# KiCad board corne-xiao.kicad_pcb
title: Corne Xiao; date: 2024-09-09; rev: 1.1; company: Author : Friction
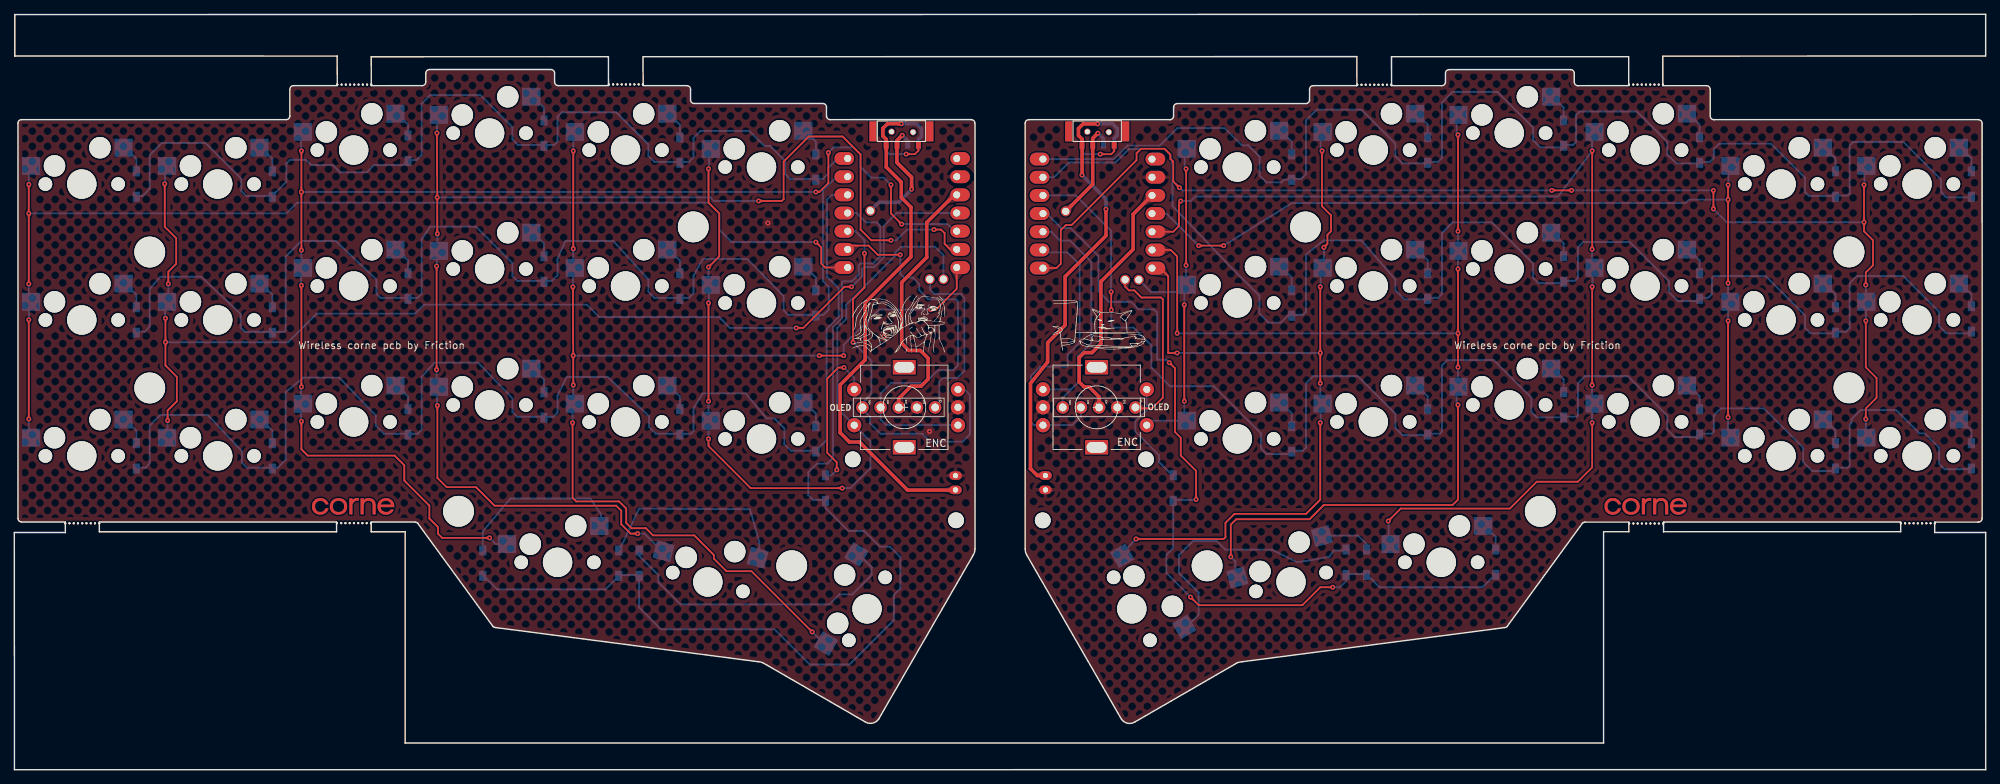
[diagram p0: board, top side]
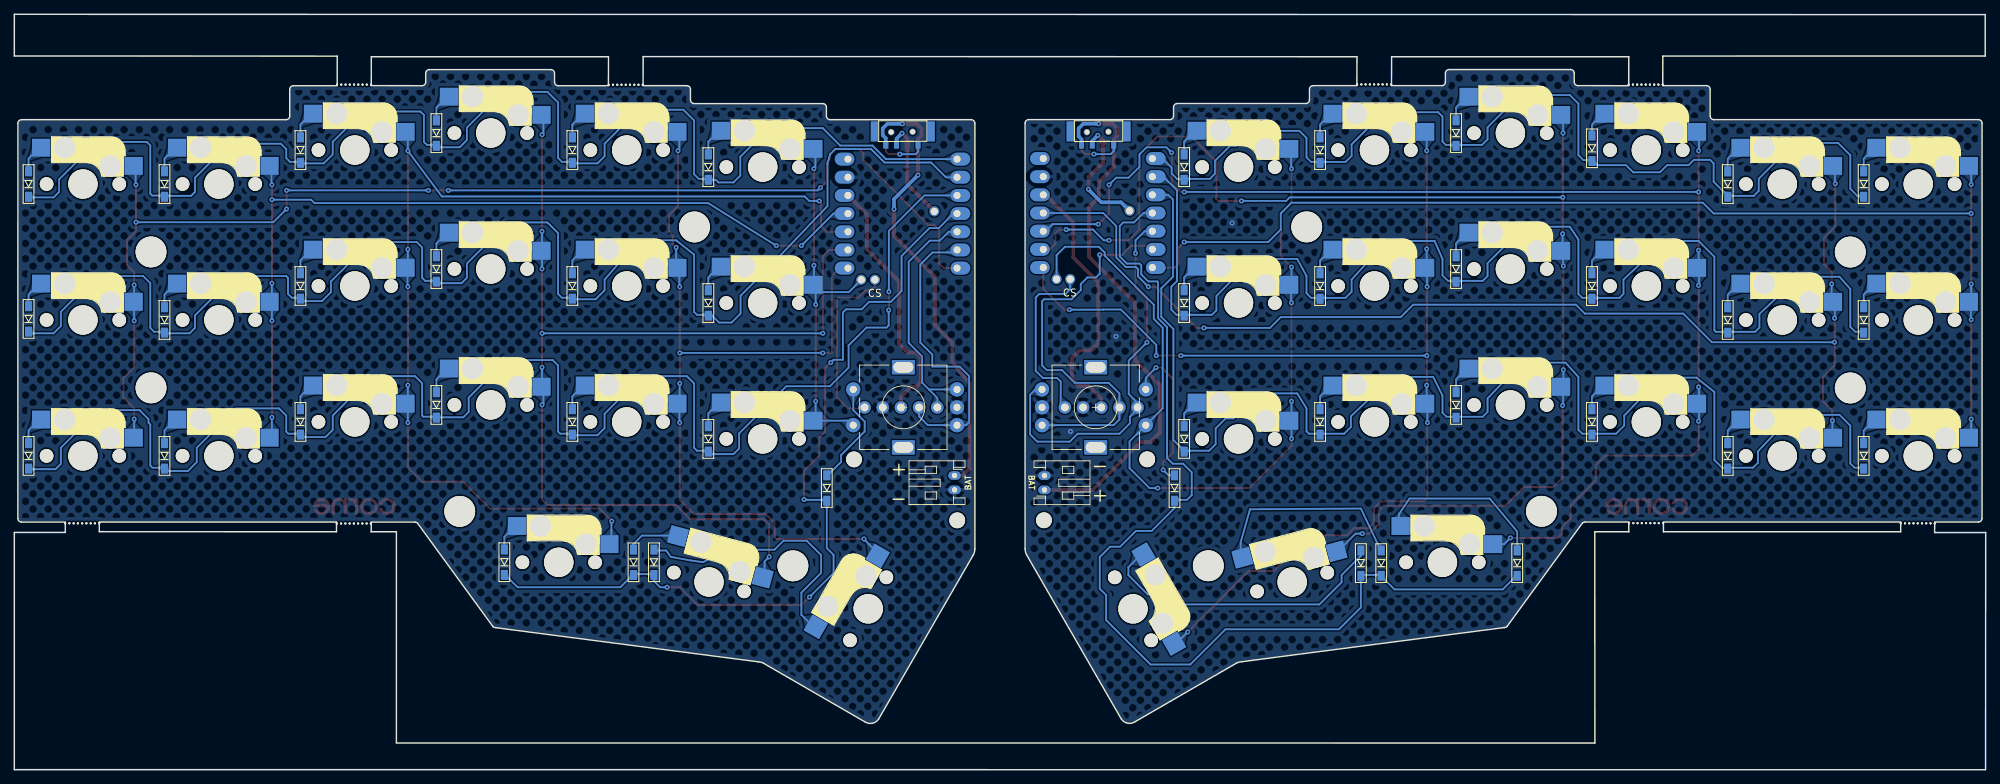
[diagram p1: board, bottom side, seen from below]

Outline 275.53 x 105.59 mm; copper layers: Top, Bottom. Coordinates in mm from the lower left corner of the outline.
Outline path: 0.51,90.37 0.51,35.12 ; 1.01,34.62 7.13,34.62 7.14,33.15 0,33.15 0.02,0 275.53,0 275.52,33.16 268.4,33.16 268.4,34.61 274.52,34.61 ; 1.01,90.87 38.01,90.87 ; 38.51,95.12 38.51,91.37 ; 39.01,95.62 45.14,95.62 45.12,99.75 0.07,99.75 0.07,105.55 275.52,105.59 275.52,99.76 230.4,99.74 230.4,95.61 236.52,95.61 ; 56.01,34.62 49.88,34.62 49.88,33.25 54.63,33.25 54.62,3.72 222.12,3.74 222.12,33.26 225.65,33.26 225.65,34.61 219.52,34.61 ; 56.36,34.47 66.91,20.02 ; 57.01,95.62 49.89,95.61 49.88,99.65 83.03,99.66 83.05,95.62 76.01,95.62 ; 57.51,97.37 57.51,96.12 ; 58.01,97.87 75.01,97.87 ; 67.26,19.87 103.93,15.1 ; 75.51,97.37 75.51,96.12 ; 94.01,95.62 87.89,95.62 87.87,99.66 187.64,99.68 187.65,95.61 181.53,95.61 ; 94.51,93.62 94.51,95.12 ; 104.59,14.97 118.88,6.71 ; 113.01,93.12 95.01,93.12 ; 113.51,92.62 113.51,91.37 ; 120.81,7.09 134.03,30.02 ; 133.76,90.87 114.01,90.87 ; 134.26,90.37 134.26,30.9 ; 141.28,90.36 141.28,30.89 ; 141.78,90.86 161.52,90.86 ; 154.73,7.08 141.5,30.01 ; 162.03,92.61 162.02,91.36 ; 162.52,93.11 180.53,93.11 ; 170.95,14.96 156.66,6.7 ; 181.03,93.61 181.03,95.11 ; 199.52,95.61 192.49,95.61 192.48,99.66 225.63,99.66 225.64,95.62 218.52,95.61 ; 200.02,97.36 200.02,96.11 ; 200.52,97.86 217.52,97.86 ; 208.27,19.86 171.6,15.09 ; 218.02,97.36 218.02,96.11 ; 219.17,34.47 208.63,20.01 ; 237.03,95.11 237.03,91.36 ; 237.53,90.86 274.52,90.86 ; 275.02,90.36 275.03,35.11 ; 11.88,33.25 45.04,33.25 45.04,34.62 11.89,34.62 11.88,33.25 ; 230.5,34.61 230.5,33.26 263.65,33.27 263.65,34.61 230.5,34.61
Stack: Top 0.035mm / dielectric 1.51mm FR4 er 4.5 / Bottom 0.035mm

## Placement (name value [footprint] x y rotation side)
B1  JST Battery  [JST_PH_S2B-PH-K_1x02_P2.00mm_Horizontal]  131.55 39.11 90 bottom
B2  JST Battery  [JST_PH_S2B-PH-K_1x02_P2.00mm_Horizontal]  144.12 41.12 270 bottom
D1  D  [D3_SMD_v2]  17.05 81.86 90 bottom
D2  D  [D3_SMD_v2]  36.05 81.86 90 bottom
D3  D  [D3_SMD_v2]  55.03 86.86 90 bottom
D4  D  [D3_SMD_v2]  74.03 88.98 90 bottom
D5  D  [D3_SMD_v2]  93.03 86.61 90 bottom
D6  D  [D3_SMD_v2]  112.03 84.23 90 bottom
D7  D  [D3_SMD_v2]  17.05 62.86 90 bottom
D8  D  [D3_SMD_v2]  36.05 62.86 90 bottom
D9  D  [D3_SMD_v2]  55.03 67.61 90 bottom
D10  D  [D3_SMD_v2]  74.03 69.98 90 bottom
D11  D  [D3_SMD_v2]  93.03 67.61 90 bottom
D12  D  [D3_SMD_v2]  112.03 65.23 90 bottom
D13  D  [D3_SMD_v2]  17.05 43.86 90 bottom
D14  D  [D3_SMD_v2]  36.05 43.86 90 bottom
D15  D  [D3_SMD_v2]  55.03 48.61 90 bottom
D16  D  [D3_SMD_v2]  74.03 50.98 90 bottom
D17  D  [D3_SMD_v2]  93.03 48.61 90 bottom
D18  D  [D3_SMD_v2]  112.03 46.23 90 bottom
D19  D  [D3_SMD_v2]  65.48 28.87 90 bottom
D20  D  [D3_SMD_v2]  84.48 28.88 90 bottom
D21  D  [D3_SMD_v2]  87.33 28.88 90 bottom
D22  D  [D3_SMD_v2]  273.53 81.86 90 bottom
D23  D  [D3_SMD_v2]  254.53 81.86 90 bottom
D24  D  [D3_SMD_v2]  235.53 86.61 90 bottom
D25  D  [D3_SMD_v2]  216.53 88.99 90 bottom
D26  D  [D3_SMD_v2]  197.53 86.61 90 bottom
D27  D  [D3_SMD_v2]  178.53 84.23 90 bottom
D28  D  [D3_SMD_v2]  273.53 63.02 90 bottom
D29  D  [D3_SMD_v2]  254.53 62.86 90 bottom
D30  D  [D3_SMD_v2]  235.53 67.61 90 bottom
D31  D  [D3_SMD_v2]  216.53 69.99 90 bottom
D32  D  [D3_SMD_v2]  197.53 67.61 90 bottom
D33  D  [D3_SMD_v2]  178.53 65.23 90 bottom
D34  D  [D3_SMD_v2]  273.53 43.86 90 bottom
D35  D  [D3_SMD_v2]  254.53 43.86 90 bottom
D36  D  [D3_SMD_v2]  235.53 48.61 90 bottom
D37  D  [D3_SMD_v2]  216.53 50.99 90 bottom
D38  D  [D3_SMD_v2]  197.53 48.61 90 bottom
D39  D  [D3_SMD_v2]  178.53 46.23 90 bottom
D40  D  [D3_SMD_v2]  207.03 29 90 bottom
D41  D  [D3_SMD_v2]  188.98 28.99 90 bottom
D42  D  [D3_SMD_v2]  186.13 28.99 90 bottom
D43  D  [D3_SMD_v2]  161.97 39.37 90 bottom
D44  D  [D3_SMD_v2]  113.37 39.37 90 bottom
G***  LOGO  [corne-logo-horizontal]  228.11 36.73 0 top
G***#2  -  [LOGO]  151.61 62.51 0 top
G***#3  LOGO  [corne-logo-horizontal]  47.46 36.73 0 top
G***#4  -  [LOGO]  123.61 62.31 0 top
G***#5  LOGO  [corne-logo-horizontal]  47.46 36.73 0 top
G***#6  LOGO  [corne-logo-horizontal]  228.11 36.73 0 top
H1  MountingHole  [M2_HOLE_v2#4]  18.9 72.41 0 top
H2  MountingHole  [M2_HOLE_v2#9]  95.07 75.74 0 top
H3  MountingHole  [M2_HOLE_v2#10]  18.92 53.39 0 top
H4  MountingHole  [M2_HOLE_v2#8]  62.19 35.94 0 top
H5  MountingHole  [M2_HOLE_v2]  111.27 33.66 0 top
H6  MountingHole  [M2_HOLE_v2#12]  117.27 41.77 0 top
H7  MountingHole  [M2_HOLE_v2#3]  132.12 34.09 0 top
H8  MountingHole  [M2_HOLE_v2#13]  180.45 75.97 0 top
H9  MountingHole  [M2_HOLE_v2#14]  256.37 72.49 0 top
H10  MountingHole  [M2_HOLE_v2#6]  164.2 33.56 0 top
H11  MountingHole  [M2_HOLE_v2#11]  214.34 36.11 0 top
H12  MountingHole  [M2_HOLE_v2#2]  256.47 53.49 0 top
H13  MountingHole  [M2_HOLE_v2#5]  158.47 41.72 0 top
H14  MountingHole  [M2_HOLE_v2#7]  143.34 34.34 0 top
J1  OLED  [nice_view]  123.61 66.16 0 top
J2  OLED  [nice_view]  151.61 66.16 0 top
PSW1  SW_SPDT  [MSK12C02_reversible]  127.86 90.52 270 top
PSW2  SW_SPDT  [MSK12C02_reversible]  155.22 90.52 270 top
REF**  -  [Breakaway_Tabs]  47.47 34.47 0 top
REF**#2  -  [Breakaway_Tabs]  47.52 95.77 0 top
REF**#3  -  [Breakaway_Tabs]  85.48 95.79 0 top
REF**#4  -  [Breakaway_Tabs]  190.07 95.74 0 top
REF**#5  -  [Breakaway_Tabs]  228.05 95.77 0 top
REF**#6  -  [Breakaway_Tabs]  266.05 34.44 0 top
REF**#7  -  [Breakaway_Tabs]  9.49 34.44 0 top
REF**#8  -  [Breakaway_Tabs]  228.07 34.41 0 top
SW1  SW_PUSH  [CherryMX_Hotswap]  9.43 81.86 0 top
SW2  SW_PUSH  [CherryMX_Hotswap]  28.43 81.86 0 top
SW3  SW_PUSH  [CherryMX_Hotswap]  47.43 86.61 0 top
SW4  SW_PUSH  [CherryMX_Hotswap]  66.43 88.98 0 top
SW5  SW_PUSH  [CherryMX_Hotswap]  85.43 86.61 0 top
SW6  SW_PUSH  [CherryMX_Hotswap]  104.43 84.23 0 top
SW7  SW_PUSH  [CherryMX_Hotswap]  9.43 62.86 0 top
SW8  SW_PUSH  [CherryMX_Hotswap]  28.43 62.86 0 top
SW9  SW_PUSH  [CherryMX_Hotswap]  47.43 67.61 0 top
SW10  SW_PUSH  [CherryMX_Hotswap]  66.43 69.98 0 top
SW11  SW_PUSH  [CherryMX_Hotswap]  85.43 67.61 0 top
SW12  SW_PUSH  [CherryMX_Hotswap]  104.43 65.23 0 top
SW13  SW_PUSH  [CherryMX_Hotswap]  9.43 43.86 0 top
SW14  SW_PUSH  [CherryMX_Hotswap]  28.43 43.86 0 top
SW15  SW_PUSH  [CherryMX_Hotswap]  47.43 48.61 0 top
SW16  SW_PUSH  [CherryMX_Hotswap]  66.43 50.98 0 top
SW17  SW_PUSH  [CherryMX_Hotswap]  85.43 48.61 0 top
SW18  SW_PUSH  [CherryMX_Hotswap]  104.43 46.23 0 top
SW19  SW_PUSH  [CherryMX_Hotswap]  75.93 28.98 0 top
SW20  SW_PUSH  [CherryMX_Hotswap]  96.93 26.23 345 top
SW21  SW_PUSH  [CherryMX_Hotswap_1.5u]  119.18 22.48 60 top
SW22  SW_PUSH  [CherryMX_Hotswap]  265.93 81.86 0 top
SW23  SW_PUSH  [CherryMX_Hotswap]  246.93 81.86 0 top
SW24  SW_PUSH  [CherryMX_Hotswap]  227.93 86.61 0 top
SW25  SW_PUSH  [CherryMX_Hotswap]  208.93 88.99 0 top
SW26  SW_PUSH  [CherryMX_Hotswap]  189.93 86.61 0 top
SW27  SW_PUSH  [CherryMX_Hotswap]  170.93 84.23 0 top
SW28  SW_PUSH  [CherryMX_Hotswap]  265.93 62.86 0 top
SW29  SW_PUSH  [CherryMX_Hotswap]  246.93 62.86 0 top
SW30  SW_PUSH  [CherryMX_Hotswap]  227.93 67.61 0 top
SW31  SW_PUSH  [CherryMX_Hotswap]  208.93 69.99 0 top
SW32  SW_PUSH  [CherryMX_Hotswap]  189.93 67.61 0 top
SW33  SW_PUSH  [CherryMX_Hotswap]  170.93 65.24 0 top
SW34  SW_PUSH  [CherryMX_Hotswap]  265.93 43.86 0 top
SW35  SW_PUSH  [CherryMX_Hotswap]  246.93 43.86 0 top
SW36  SW_PUSH  [CherryMX_Hotswap]  227.93 48.61 0 top
SW37  SW_PUSH  [CherryMX_Hotswap]  208.93 50.99 0 top
SW38  SW_PUSH  [CherryMX_Hotswap]  189.93 48.61 0 top
SW39  SW_PUSH  [CherryMX_Hotswap]  170.93 46.24 0 top
SW40  SW_PUSH  [CherryMX_Hotswap]  199.43 28.99 0 top
SW41  SW_PUSH  [CherryMX_Hotswap]  178.43 26.24 15 top
SW42  SW_PUSH  [CherryMX_Hotswap_1.5u]  156.18 22.49 300 top
SW43  RotaryEncoder_Switch  [RotaryEncoder_Alps_EC11E-Switch_Vertical_H20mm-keebio_modified]  151.27 50.66 0 top
SW44  RotaryEncoder_Switch  [RotaryEncoder_Alps_EC11E-Switch_Vertical_H20mm-keebio_modified]  124.39 50.66 180 bottom
U1  xiao-ble  [xiao-ble-tht]  124.09 77.81 0 top
U2  xiao-ble  [xiao-ble-tht]  151.39 77.73 0 top

## Library data of the parts
B1 B2 = -: Description: Generic connector, single row, 01x02, script generated (kicad-library-utils/schlib/autogen/connector/)
D1-D44 = -: Description: Diode
H1-H14 = -: Description: Mounting Hole without connection
J1 J2 = -: Description: Generic connector, single row, 01x05, script generated (kicad-library-utils/schlib/autogen/connector/)
PSW1 PSW2 = -: Description: Switch, single pole double throw
SW43 SW44 = -: Description: Rotary encoder, dual channel, incremental quadrate outputs, with switch

## Footprints (pads in the part's own frame, mm; a bottom-side part is the same pattern mirrored in y, then rotated)
Breakaway_Tabs
  round 0.3 hole 0.3 unplated: (-2.375,0) (-1.781,0) (-1.188,0) (-0.594,0) (0,0) (0.594,0) (1.188,0) (1.781,0) (2.375,0)
CherryMX_Hotswap
  round 1.9 hole 1.9 unplated: (-5.08,0) (5.08,0)
  round 3 hole 3 unplated: (-3.81,2.54) (2.54,5.08)
  round 4.1 hole 4.1 unplated: (0,0)
  rect 2.55x2.5 smd far side: 1(-7.085,2.54) 2(5.842,5.08)
CherryMX_Hotswap_1.5u
  round 1.9 hole 1.9 unplated: (-5.08,0) (5.08,0)
  round 3 hole 3 unplated: (-3.81,2.54) (2.54,5.08)
  round 4.1 hole 4.1 unplated: (0,0)
  rect 2.55x2.5 smd far side: 1(-7.085,2.54) 2(5.842,5.08)
D3_SMD_v2
  rect 1.4x1 smd: 1(-1.775,0) 2(1.775,0)
JST_PH_S2B-PH-K_1x02_P2.00mm_Horizontal
  oval 1.2x1.75 hole 0.75: 1(0,0) 2(2,0)
M2_HOLE_v2
  round 4.3 hole 4.3 unplated: (-2.619,-5.16)
M2_HOLE_v2#2
  round 4.3 hole 4.3 unplated: (-0.051,-0.116)
M2_HOLE_v2#3
  round 2.2 hole 2.2 unplated: (-0.498,0.775)
M2_HOLE_v2#4
  round 4.3 hole 4.3 unplated: (0.033,-0.055)
M2_HOLE_v2#13
  round 4.3 hole 4.3 unplated: (0.019,-0.101)
M2_HOLE_v2#14
  round 4.3 hole 4.3 unplated: (0.05,-0.116)
M2_HOLE_v2#5
  round 2.2 hole 2.2 unplated: (-0.299,1.661)
M2_HOLE_v2#6
  round 4.3 hole 4.3 unplated: (2.514,-5.07)
M2_HOLE_v2#7
  round 2.2 hole 2.2 unplated: (0.394,0.515)
M2_HOLE_v2#8
  round 4.3 hole 4.3 unplated: (-0.111,0.179)
M2_HOLE_v2#9
  round 4.3 hole 4.3 unplated: (-0.174,0.135)
M2_HOLE_v2#10
  round 4.3 hole 4.3 unplated: (0.007,-0.03)
M2_HOLE_v2#11
  round 4.3 hole 4.3 unplated: (-1.069,-0.005)
M2_HOLE_v2#12
  round 2.2 hole 2.2 unplated: (-0.081,1.621)
MSK12C02_reversible
  round 0.9 hole 0.7 unplated: (1.35,-5.25) (1.4,-2.25)
  rect 1x0.7 smd: 1(3.2,-1.5) 2(3.2,-4.5) 3(3.2,-6)
  rect 1x0.7 smd far side: 1(3.2,-6) 2(3.2,-3) 3(3.2,-1.5)
  rect 2.8x1 smd: NC(1.3,0.1) NC(1.3,-7.85)
  rect 2.8x1 smd far side: NC(1.3,0.1) NC(1.3,-7.85)
nice_view
  round 1.753 hole 1.092: 1(-5.08,-15.524) 2(-2.54,-15.524) 3(0,-15.524) 4(2.54,-15.524) 5(5.08,-15.524)
RotaryEncoder_Alps_EC11E-Switch_Vertical_H20mm-keebio_modified
  round 2 hole 1: A(-7.5,2.5) B(-7.5,-2.5) C(-7.5,0) S1(7,-2.5) S2(7,2.5)
  rect 3.2x2 hole 2.8x1.5: MP(0,5.6) MP(0,-5.6)
xiao-ble-tht
  oval 2.75x1.8 hole 1: 1(-7.62,7.62) 2(-7.62,5.08) 3(-7.62,2.54) 4(-7.62,0) 5(-7.62,-2.54) 6(-7.62,-5.08) 7(-7.62,-7.62) 8(7.62,-7.62) 9(7.62,-5.08) 10(7.62,-2.54) 11(7.62,0) 12(7.62,2.54) 13(7.62,5.08) 14(7.62,7.62)
  round 1.397 hole 1.016: 15(-4.445,0.317) 16(3.861,-9.246) 17(5.766,-9.246)

## Nets
GND: B1.2 J1.4 SW44.C U1.13
GND1: B2.2 J2.4 SW43.C U2.13
VBAT_L: B1.1 PSW1.3
VBAT_R: B2.1 PSW2.3
VCC: J1.3 U1.12
VCCQ: J2.3 U2.12
BAT+_L: PSW1.2 U1.15
BAT+_R: PSW2.2 U2.15
COL0_L: SW1.1 SW7.1 SW13.1 U1.7
COL0_R: SW22.1 SW28.1 SW34.1 U2.7
COL1_L: SW2.1 SW8.1 SW14.1 U1.11
COL1_R: SW23.1 SW29.1 SW35.1 U2.11
COL2_L: SW3.1 SW9.1 SW15.1 SW19.1 U1.10
COL2_R: SW24.1 SW30.1 SW36.1 SW40.1 U2.10
COL3_L: SW4.1 SW10.1 SW16.1 SW20.1 U1.9
COL3_R: SW25.1 SW31.1 SW37.1 SW41.1 U2.9
COL4_L: SW5.1 SW11.1 SW17.1 SW21.1 U1.8
COL4_R: SW26.1 SW32.1 SW38.1 SW42.1 U2.8
COL5_L: SW6.1 SW12.1 SW18.1 SW44.S1 U1.17
COL5_R: SW27.1 SW33.1 SW39.1 SW43.S1 U2.17
CS_L: J1.5 U1.16
CS_R: J2.5 U2.16
ROW0_L: D1.1 D2.1 D3.1 D4.1 D5.1 D6.1 U1.1
ROW0_R: D22.1 D23.1 D24.1 D25.1 D26.1 D27.1 U2.1
ROW1_L: D7.1 D8.1 D9.1 D10.1 D11.1 D12.1 U1.2
ROW1_R: D28.1 D29.1 D30.1 D31.1 D32.1 D33.1 U2.2
ROW2_L: D13.1 D14.1 D15.1 D16.1 D17.1 D18.1 U1.3
ROW2_R: D34.1 D35.1 D36.1 D37.1 D38.1 D39.1 U2.3
ROW3_L: D19.1 D20.1 D21.1 D44.1 U1.4
ROW3_R: D40.1 D41.1 D42.1 D43.1 U2.4
SCL_L: J1.2 SW44.B U1.6
SCL_R: J2.2 SW43.B U2.6
SDA_L: J1.1 SW44.A U1.5
SDA_R: J2.1 SW43.A U2.5
SW43B: D43.2 SW43.S2
SW44B: D44.2 SW44.S2
Net-(D1-A): D1.2 SW1.2
Net-(D2-A): D2.2 SW2.2
Net-(D3-A): D3.2 SW3.2
Net-(D4-A): D4.2 SW4.2
Net-(D5-A): D5.2 SW5.2
Net-(D6-A): D6.2 SW6.2
Net-(D7-A): D7.2 SW7.2
Net-(D8-A): D8.2 SW8.2
Net-(D9-A): D9.2 SW9.2
Net-(D10-A): D10.2 SW10.2
Net-(D11-A): D11.2 SW11.2
Net-(D12-A): D12.2 SW12.2
Net-(D13-A): D13.2 SW13.2
Net-(D14-A): D14.2 SW14.2
Net-(D15-A): D15.2 SW15.2
Net-(D16-A): D16.2 SW16.2
Net-(D17-A): D17.2 SW17.2
Net-(D18-A): D18.2 SW18.2
Net-(D19-A): D19.2 SW19.2
Net-(D20-A): D20.2 SW20.2
Net-(D21-A): D21.2 SW21.2
Net-(D22-A): D22.2 SW22.2
Net-(D23-A): D23.2 SW23.2
Net-(D24-A): D24.2 SW24.2
Net-(D25-A): D25.2 SW25.2
Net-(D26-A): D26.2 SW26.2
Net-(D27-A): D27.2 SW27.2
Net-(D28-A): D28.2 SW28.2
Net-(D29-A): D29.2 SW29.2
Net-(D30-A): D30.2 SW30.2
Net-(D31-A): D31.2 SW31.2
Net-(D32-A): D32.2 SW32.2
Net-(D33-A): D33.2 SW33.2
Net-(D34-A): D34.2 SW34.2
Net-(D35-A): D35.2 SW35.2
Net-(D36-A): D36.2 SW36.2
Net-(D37-A): D37.2 SW37.2
Net-(D38-A): D38.2 SW38.2
Net-(D39-A): D39.2 SW39.2
Net-(D40-A): D40.2 SW40.2
Net-(D41-A): D41.2 SW41.2
Net-(D42-A): D42.2 SW42.2

Pads without a net: PSW1 1 NC; PSW2 1 NC; SW43 MP; SW44 MP; U1 14; U2 14

## Via types
v1: diameter 0.7, hole 0.3, Top to Bottom, 117 vias

## Routing (per net, layer and track width the routed paths; a pad name or vN(x,y) marks a point on that pad's centre or on a via; arc(x,y) is an arc through that point)
GND:
  vias: v1(105.33,76.42) v1(121.55,60.57) v1(127.91,47.29)
VBAT_L: length 76.1
  Top w0.5: v1(123.97,90.29) 122.04,90.29 121.39,89.64 121.39,88.58 121.86,88.1 PSW1.3 121.86,84.23 123.96,82.14 123.96,79.99 125.32,78.63 125.32,71.7 118.92,65.3 118.92,57.3 115.42,53.8 115.42,47.1 116.72,45.8 118.12,45.8 124.85,39.08 131.52,39.08
  Bottom w0.5: PSW1.3 126.36,88.11 126.78,88.53 126.78,89.64 126.13,90.29 v1(123.97,90.29)
VBAT_R: length 64.3
  Top w0.5: B2.1 142.96,41.12 142.01,42.07 142.02,42.08 142.02,54 144.42,57 144.42,59.69 146.87,62.13 146.87,68.93 152.58,74.64 v1(152.58,78.35) ; PSW2.3 149.22,88.15 148.73,88.65 148.73,89.62 149.39,90.28 v1(151.41,90.28) ; v1(149.23,83.11) 149.23,87.31
  Bottom w0.5: v1(149.23,83.11) 152.58,79.76 v1(152.58,78.35) ; PSW2.3 153.72,88.25 154.16,88.69 154.16,89.63 153.51,90.28 v1(151.41,90.28)
VCC: length 37.8
  Top w0.5: 131.39,80.35 127.52,76.49 127.52,71.61 124.02,68.11 124.02,59.6 125.02,58.6 126.62,58.6 127.72,57.5 127.72,54.6 126.72,53.6 125.32,53.6 123.61,51.89 J1.3
VCCQ: length 36.1
  Top w0.5: U2.12 156.37,77.63 156.37,72.73 151.87,68.23 151.87,59.55 150.62,58.3 149.52,58.3 148.82,57.6 148.82,54.2 149.52,53.5 150.22,53.5 151.61,52.11 J2.3
BAT+_L: length 17.4
  Top w0.5: v1(125.41,81.14) 125.41,82.82 123.36,84.86 PSW1.2 123.36,87.94 v1(124.1,88.68)
  Bottom w0.5: v1(124.1,88.68) 124.86,87.91 PSW1.2 ; v1(125.41,81.14) 125.41,81.11 123.61,79.31 120.83,79.31 U1.15
BAT+_R: length 14.8
  Top w0.5: U2.15 150.72,81.83 PSW2.2 150.72,88.24 v1(151.45,88.97)
  Bottom w0.5: PSW2.2 152.22,88.19 v1(151.45,88.97)
COL0_L: length 159.3
  Top w0.254: v1(2.02,62.9) v1(2.02,49) ; U1.7 113.33,70.19 112.77,70.75 112.77,73 v1(112.02,73.75) ; v1(2.02,81.8) v1(2.02,77.75) v1(2.02,67.9)
  Bottom w0.254: v1(2.02,49) 2.02,46.44 ; v1(2.02,67.9) 2.02,65.44 ; 2.02,84.36 v1(2.02,81.8) ; 2.07,65.4 2.07,63.25 v1(2.02,62.9) ; v1(2.02,77.75) 38.02,77.75 39.52,79.25 97.02,79.25 98.52,77.75 98.52,75.5 100.27,73.75 v1(112.02,73.75)
COL0_R: length 172.3
  Top w0.254: v1(214.87,80.98) v1(217.65,80.98) ; v1(162.85,81.35) 161.97,82.23 161.97,84.99 161.57,85.39 161.57,85.99 160.77,86.79 157.47,86.79 156.85,86.17 156.85,85.21 147.77,76.13 146.97,76.13 146.27,75.43 146.27,70.73 145.65,70.11 U2.7 ; v1(237.47,80.98) v1(237.47,78.38) ; v1(258.77,49) 258.77,50.5 260.27,52 260.27,54.75 258.77,56.25 v1(258.77,62.75) ; v1(258.52,81.75) v1(258.52,76.53) 258.52,75.25 259.77,74 259.77,70.5 258.77,69.5 v1(258.77,67.75)
  Bottom w0.254: v1(214.87,80.98) 163.22,80.98 v1(162.85,81.35) ; v1(258.77,49) 258.77,46.6 ; v1(258.52,81.75) 258.57,81.8 258.57,84.41 ; v1(217.65,80.98) v1(237.47,80.98) ; v1(258.52,76.53) 239.32,76.53 v1(237.47,78.38) ; v1(258.77,67.75) 258.77,65.6 ; 258.77,65.21 v1(258.77,62.75)
COL1_L: length 163.5
  Top w0.254: v1(109.27,61.75) 110.27,61.75 116.02,67.5 v1(117.02,67.5) ; v1(21.52,67.9) 21.52,69.6 22.62,70.7 22.62,74.3 21.02,75.9 v1(21.02,81.9) ; v1(21.42,48.8) 21.42,50.2 22.72,51.5 22.72,54.9 21.12,56.5 v1(21.12,59.75) v1(21.12,63.1)
  Bottom w0.254: 21.07,84.4 21.07,82.15 v1(21.02,81.9) ; U1.11 123.33,77.81 121.52,76 121.52,71.61 120.16,70.25 118.77,70.25 118.48,69.96 118.48,68.96 v1(117.02,67.5) ; v1(21.42,48.8) 21.42,46.76 ; v1(21.52,67.9) 21.52,65.86 ; v1(109.27,61.75) 100.02,61.75 98.52,63.25 81.77,63.25 80.02,65 57.27,65 56.02,63.75 42.27,63.75 38.27,59.75 v1(21.12,59.75) ; 21.07,65.4 21.07,63.16 v1(21.12,63.1)
COL1_R: length 122.1
  Top w0.254: v1(165.52,73.25) v1(169.02,73.25) ; v1(239.52,62.75) v1(239.52,49.25) ; v1(239.52,68) v1(239.52,79.68) v1(239.52,81.75)
  Bottom w0.254: v1(239.52,81.75) 239.57,81.8 239.57,84.41 ; 239.52,65.35 v1(239.52,62.75) ; U2.11 161.04,77.73 v1(165.52,73.25) ; v1(169.02,73.25) 178.55,79.2 233.57,79.2 234.05,79.68 v1(239.52,79.68) ; v1(239.52,68) 239.52,65.46 ; v1(239.52,49.25) 239.52,46.46
COL2_L: length 185.8
  Top w0.254: v1(113.77,86.25) 113.77,82 112.52,80.75 v1(112.02,80.75) ; v1(40.12,67.7) v1(40.12,53.5) ; v1(66.42,32.4) 59.81,32.4 59.21,33 59.21,33.91 58.01,35.11 58.01,36.91 54.51,40.41 54.51,42.56 53.16,43.91 41.01,43.91 40.12,44.79 v1(40.12,48.7) ; v1(40.12,86.5) v1(40.12,80.75) v1(40.12,72.6) ; v1(122.52,81.75) 122.52,77.75 v1(124.02,76.25)
  Bottom w0.254: v1(66.42,32.4) 67.3,31.52 68.57,31.52 ; v1(40.12,67.7) 40.07,67.96 40.07,70.15 ; v1(124.02,76.25) 130.43,76.25 131.41,75.27 ; v1(40.12,48.7) 40.07,48.76 40.07,53.45 v1(40.12,53.5) ; v1(112.02,80.75) v1(40.12,80.75) ; v1(40.12,86.5) 40.07,86.56 40.07,89.15 ; v1(122.52,81.75) 121.52,82.75 119.77,82.75 118.27,84.25 118.27,86 117.27,87 114.52,87 v1(113.77,86.25) ; v1(40.12,72.6) 40.12,70.21
COL2_R: length 150.2
  Top w0.254: v1(220.52,67.5) v1(220.52,53.75) ; v1(163.02,79.5) 162.77,79.25 162.77,76 161.96,75.19 U2.10 ; v1(192.02,34.75) 193.77,36.5 209.02,36.5 212.77,40.25 218.52,40.25 220.52,42.25 v1(220.52,48.5) ; v1(220.52,86.5) v1(220.52,72.75)
  Bottom w0.254: v1(163.02,79.5) 164.42,79.5 165.05,80.13 215.77,80.13 v1(220.52,86.5) 220.52,89.1 ; v1(192.02,34.75) 192.07,34.7 192.07,31.53 ; v1(220.52,67.5) 220.57,67.55 220.57,70.16 ; v1(220.52,53.75) 220.52,51.21 ; v1(220.52,72.75) 220.52,70.21 ; v1(220.52,48.5) 220.52,51.1
COL3_L: length 182.3
  Top w0.254: v1(59.12,74.9) v1(59.1,80) v1(59.07,89) ; v1(59.02,70.4) v1(59.02,55.9) ; v1(128.52,75.5) 129.52,75.5 130.02,75 130.02,73.5 130.79,72.73 U1.9 ; v1(104.02,79.5) 107.27,79.5 107.52,79.75 107.52,85 111.03,88.51 115.77,88.51 118.27,86 118.27,75.5 119.77,74 v1(122.52,74) ; v1(87.12,33) 86.12,33 84.82,34.3 84.82,36.2 84.12,36.9 67.12,36.9 64.52,39.5 60.42,39.5 59.12,40.8 v1(59.12,50.9)
  Bottom w0.254: v1(59.12,50.9) 59.07,50.96 59.07,53.52 ; v1(59.12,74.9) 59.12,72.58 ; 59.07,72.53 59.07,70.45 v1(59.02,70.4) ; v1(122.52,74) 123.27,74 124.77,75.5 v1(128.52,75.5) ; v1(87.12,33) 88.07,33 90.48,30.59 ; v1(59.02,55.9) 59.02,53.57 ; 59.07,91.53 59.07,88.76 v1(59.07,89) ; v1(59.1,80) 97.27,80 97.77,79.5 v1(104.02,79.5)
COL3_R: length 148.2
  Top w0.254: v1(162.52,61) 162.52,71.75 161.62,72.65 U2.9 ; v1(201.77,51) 201.77,37.75 201.02,37 183.02,37 181.02,35 170.77,35 170.02,34.25 v1(170.02,29.75) ; v1(201.77,56.25) v1(201.77,61) v1(201.77,70) ; v1(201.77,88.75) v1(201.77,75.25)
  Bottom w0.254: 201.57,53.53 201.57,51.2 v1(201.77,51) ; 201.57,91.53 201.57,88.95 v1(201.77,88.75) ; 201.77,72.33 v1(201.77,70) ; v1(201.77,75.25) 201.77,72.73 ; v1(201.77,56.25) 201.77,53.73 ; v1(162.52,61) v1(201.77,61) ; v1(170.02,29.75) 170.67,29.11 170.67,26.79
COL4_L: length 157.8
  Top w0.254: v1(115.92,57.88) v1(112.5,57.88) ; v1(78.12,53.75) v1(78.11,57.88) v1(78.07,67.5) ; v1(78.02,48.5) 78.02,38 78.52,37.5 84.52,37.5 85.52,36.5 85.52,34.5 86.27,33.75 88.27,33.75 89.27,32.75 95.02,32.75 97.77,30 97.77,29.5 99.52,27.75 103.02,27.75 v1(111.52,19.25) ; U1.8 131.71,67.22 128.8,64.3 v1(128.07,64.3) ; v1(78.12,86.5) v1(78.12,72.8)
  Bottom w0.254: 78.07,70.15 78.07,67.36 v1(78.07,67.5) ; v1(78.12,53.75) 78.12,51.21 ; v1(112.5,57.88) v1(78.11,57.88) ; v1(128.07,64.3) 123.32,64.3 123.3,64.33 120.87,64.33 115.92,59.39 v1(115.92,57.88) ; v1(111.52,19.25) 113.3,17.48 ; v1(78.12,86.5) 78.12,89.09 ; 78.02,51.11 v1(78.02,48.5) ; v1(78.12,72.8) 78.12,70.21
COL4_R: length 117.7
  Top w0.254: v1(182.52,54) v1(182.52,58.25) v1(182.52,67.5) ; v1(162.52,58.25) 161.27,58.25 161.27,69 160.16,70.11 ; v1(183.02,73) 183.52,73.5 183.52,74.75 184.02,75.25 184.02,77.5 182.77,78.75 v1(182.77,86.5) ; v1(156.77,32.25) 169.02,32.25 169.27,32.5 169.27,34.5 170.52,35.75 180.52,35.75 182.52,37.75 v1(182.52,48.5)
  Bottom w0.254: v1(182.77,86.5) 182.57,86.7 182.57,89.16 ; 182.57,70.16 182.57,67.55 v1(182.52,67.5) ; v1(182.52,54) 182.52,51.21 ; 182.57,51.16 182.57,48.55 v1(182.52,48.5) ; v1(183.02,73) 183.02,70.6 ; v1(162.52,58.25) v1(182.52,58.25) ; 154.7,30.13 156.07,31.5 v1(156.77,32.25)
COL5_L: length 115.2
  Top w0.254: v1(97.02,65.25) v1(97.02,51.5) ; v1(97.02,70.25) 98.52,71.75 98.52,77.75 97.02,79.25 v1(97.02,84) ; v1(97.02,46.25) 97.02,45.25 102.92,39.36 v1(115.71,39.36)
  Bottom w0.254: 97.02,48.73 v1(97.02,46.25) ; 97.07,86.78 97.07,84.05 v1(97.02,84) ; v1(97.02,65.25) 97.07,65.3 97.07,67.78 ; U1.17 129.86,71.92 128.68,73.09 123.93,73.09 123.13,72.29 123.13,71.86 122.52,71.26 122.52,71.25 116.27,65 116.27,63 115.02,61.75 115.02,50.52 SW44.S1 119.66,45.89 119.66,42.16 116.86,39.36 v1(115.71,39.36) ; v1(97.02,51.5) 97.02,48.82 ; v1(97.02,70.25) 97.02,67.82
COL5_R: length 48.6
  Top w0.254: v1(163.77,84) v1(163.77,70.5) ; v1(163.52,65) v1(163.52,51.5)
  Bottom w0.254: 163.52,67.73 v1(163.52,65) ; 162.75,48.78 158.9,48.78 SW43.S1 ; v1(163.77,70.5) 163.77,67.98 ; 163.57,86.78 163.57,84.21 v1(163.77,84) ; 162.55,66.75 158.89,66.75 U2.17 ; v1(163.52,51.5) 163.52,48.83
CS_L: length 24.9
  Bottom w0.254: J1.5 129.27,51.22 129.27,54.25 129.77,54.75 131.77,54.75 132.77,55.75 132.77,66 132.27,66.5 128.6,66.5 127.95,67.15 U1.16
CS_R: length 25
  Top w0.254: U2.16 155.25,67.53 155.77,67 156.52,67 157.52,66 160.27,66 160.52,65.75 160.52,52 159.02,50.5 156.83,50.5
ROW0_L: length 141.4
  Bottom w0.254: 115.07,85.43 113.77,84.13 113.77,83.33 113.02,82.59 108.44,82.59 107.72,83.3 107.72,85.1 105.62,87.2 104.81,87.2 102.71,89.3 95.92,89.3 94.92,88.3 94.92,85.6 94.28,84.96 89.47,84.96 88.62,85.8 88.62,87.4 84.12,91.9 76.52,91.9 75.92,91.3 75.92,87.8 75.45,87.33 70.39,87.33 69.62,88.1 69.62,89.8 65.12,94.3 58.12,94.3 56.92,93.1 56.92,85.9 56.23,85.21 55.03,85.21 54.32,84.5 50.27,84.5 49.27,83.5 45.52,83.5 44.52,84.5 41.52,84.5 40.77,85.25 38.52,85.25 38.02,84.75 38.02,82.18 36.05,80.21 32.42,80.21 31.72,80.9 31.72,82.6 26.72,87.6 20.62,87.6 18.92,85.9 18.92,81.2 17.93,80.21 17.05,80.21
ROW0_R: length 186.2
  Bottom w0.254: 197.53,84.97 198.98,84.97 199.52,85.5 199.52,93.25 201.02,94.75 207.27,94.75 212.27,89.75 212.27,88 213.27,87 216.2,87 ; 254.57,80.25 256.27,80.25 256.52,80.5 256.52,87.25 257.02,87.75 264.02,87.75 269.27,82.5 269.27,80.75 270.02,80 273.32,80 ; 197.32,84.75 194.02,84.75 193.02,85.75 193.02,87.5 188.27,92.25 182.02,92.25 180.52,90.75 180.52,83.25 179.85,82.59 178.53,82.59 ; 216.53,87.34 217.86,87.34 218.27,87.75 218.27,91.5 218.77,92 226.77,92 231.02,87.75 231.02,86 232.27,84.75 235.32,84.75 ; U2.1 153.7,85.35 155.59,87.24 160.1,87.24 162.54,89.68 169.16,89.68 171.55,87.29 172.45,87.29 174.06,85.68 174.06,83.05 175.02,82.09 177.11,82.09 177.48,82.46 D27.1 ; 235.53,84.97 236.98,84.97 237.52,85.5 237.52,86.75 238.27,87.5 245.52,87.5 250.27,82.75 250.27,80.75 250.81,80.22 254.53,80.22
ROW1_L: length 173.2
  Bottom w0.254: 114.93,82.89 113.02,80.99 113.02,68.3 113.82,67.5 113.82,64.3 113.1,63.59 108.14,63.59 107.52,64.2 107.52,66.2 102.42,71.4 96.22,71.4 94.92,69 94.92,66.6 94.28,65.96 89.47,65.96 88.62,66.8 88.62,68.5 83.72,73.9 77.02,73.9 75.92,71.4 75.92,69.1 75.15,68.34 70.29,68.34 69.62,69 69.62,70.8 64.52,75.9 58.12,75.9 56.92,74.1 56.92,66.5 56.38,65.96 51.17,65.96 50.62,66.5 50.62,68.5 44.92,73.9 40.12,73.9 37.92,71.7 37.92,61.41 37.72,61.21 32.22,61.21 31.62,61.8 31.62,63.7 26.12,68.9 20.42,68.9 18.92,67.2 18.92,61.9 18.23,61.21 17.05,61.21
ROW1_R: length 200.8
  Bottom w0.254: 197.32,65.75 194.27,65.75 193.02,67 193.02,68.5 188.27,74 183.02,74 180.52,72 180.52,64 180.1,63.59 178.53,63.59 ; 216.2,68 213.02,68 212.27,68.75 212.27,70.75 206.52,76.5 201.02,76.5 199.52,75 199.52,66.5 198.98,65.97 197.53,65.97 ; 254.53,61.21 255.98,61.21 256.52,61.75 256.52,68 257.52,69 264.02,69 269.02,64 269.02,62 270.02,61 273.17,61 ; 178.1,63.59 177.02,62.5 175.27,62.5 174.02,63.75 174.02,66.25 170.02,70.25 161.87,78.79 161.87,84.69 161.52,86 160.77,86.75 155.78,86.75 153.9,84.87 147.39,84.87 145.33,82.81 U2.2 ; 216.53,68.34 218.11,68.34 218.52,68.75 218.52,73 219.27,73.75 225.77,73.75 231.27,68.25 231.27,66.75 232.52,65.5 235.07,65.5 235.53,65.97 236.73,65.97 237.27,66.5 237.27,68.75 237.52,69 244.77,69 250.27,63.5 250.27,61.75 251.02,61 254.32,61
ROW2_L: length 190.8
  Bottom w0.254: U1.3 114.24,80.35 113.59,79.7 113.59,68.92 115.22,67.28 115.22,63.3 113.52,61.6 113.52,46.08 112.03,44.58 108.54,44.58 107.62,45.5 107.62,47.7 106.22,49.1 105.12,49.1 102.22,52.6 96.22,52.6 94.92,50.5 94.92,47.3 94.58,46.96 89.67,46.96 88.72,47.9 88.72,49.4 82.92,54.9 77.22,54.9 75.92,52.3 75.92,49.9 75.35,49.33 70.29,49.33 69.62,50 69.62,51.9 64.82,56.9 58.72,56.9 56.92,54.9 56.92,47.5 56.38,46.96 51.67,46.96 50.52,48.1 50.52,49.5 45.42,54.8 40.42,54.8 37.92,52.8 37.92,43.3 36.83,42.21 32.52,42.21 31.82,42.9 31.82,44.5 27.02,49.6 20.42,49.6 18.92,48.1 18.92,42.8 18.33,42.21 17.05,42.21
ROW2_R: length 212.9
  Top w0.254: v1(153.32,64.25) 153.3,64.28 v1(153.3,66.8)
  Bottom w0.254: v1(153.32,64.25) 153.32,62.1 153.62,61.8 156.42,61.8 158.92,59.3 158.92,56.2 161.52,53.6 167.62,53.6 174.22,47 174.22,44.9 175.02,44.1 178.05,44.1 178.53,44.58 180.1,44.58 180.52,45 180.52,54 181.52,55 187.77,55 193.02,49.75 193.02,47.75 194.02,46.75 197.32,46.75 ; 197.53,46.97 199.23,46.97 199.52,47.25 199.52,56.5 200.27,57.25 206.77,57.25 212.02,52 212.02,50 212.77,49.25 216.45,49.25 ; 216.53,49.34 218.36,49.34 218.52,49.5 218.52,54 219.52,55 225.52,55 231.02,49.5 231.02,47.5 232.02,46.5 235.07,46.5 235.53,46.97 237.23,46.97 237.52,47.25 237.52,49.5 238.52,50.5 244.52,50.5 250.02,45 250.02,43 251.27,41.75 254.07,41.75 254.53,42.22 256.23,42.22 256.52,42.5 256.52,48.25 256.77,48.5 256.77,49 258.02,50.25 263.02,50.25 266.27,47 267.02,47 269.02,45 269.02,42.75 269.77,42 273.32,42 ; v1(153.3,66.8) 153.3,75.31 148.33,80.27 U2.3
ROW3_L: length 145.5
  Bottom w0.254: 84.48,27.22 87.33,27.22 87.33,22.67 90.37,19.63 106.25,19.63 111.17,14.7 116.72,14.7 122.92,20.9 122.92,24.4 123.82,25.3 123.82,29.72 122.37,31.17 120.97,31.17 118.77,33.37 116.57,33.37 113.37,36.57 113.37,37.72 111.62,37.72 110.97,38.37 110.97,41.57 112.17,42.77 113.62,42.77 114.42,43.57 114.42,61.85 114.42,61.86 115.68,63.11 115.68,68.16 115.77,68.25 117.02,68.25 118.02,69.25 118.02,70.5 118.27,70.75 120.02,70.75 121.02,71.75 121.02,76 120.52,76.5 119.02,76.5 117.71,77.81 U1.4 ; 84.48,27.06 82.62,25.2 67.49,25.2 65.48,27.22
ROW3_R: length 119.6
  Top w0.254: v1(184.27,25.5) 182.52,25.5 180.02,23 165.52,23 v1(164.4,24.13) ; v1(161.42,56.9) 162.22,56.1 162.22,47.2 163.02,46.4 163.02,43.92 165.17,41.77 v1(165.17,37.77)
  Bottom w0.254: v1(184.27,25.5) 185.27,25.5 186.13,26.36 186.13,27.34 188.98,27.34 190.82,25.5 205.18,25.5 207.03,27.36 ; 144.29,77.73 146.32,75.7 147.62,75.7 151.52,71.8 151.52,66.9 153.02,65.4 156.05,65.4 157.1,64.35 159.27,64.35 159.72,63.9 159.72,57.3 161.02,57.3 v1(161.42,56.9) ; v1(165.17,37.77) 165.12,37.72 161.97,37.72 161.97,30.97 161.02,30.03 161.02,27.5 v1(164.4,24.13) ; 143.81,77.39 144.64,77.39
SCL_L: length 56.3
  Top w0.254: v1(123.82,71.98) 120.67,71.98 119.4,73.25 116.99,73.25
  Bottom w0.254: v1(123.82,71.98) 123.82,69.33 124.35,68.8 125.55,68.8 126.47,67.88 126.47,67.03 127.75,65.75 131.6,65.75 131.87,65.48 131.87,56.5 131.22,55.85 129.07,55.85 129.07,55.83 127.32,54.08 122.57,54.08 121.07,52.58 J1.2 121.07,48.94 121.86,48.16 SW44.B
SCL_R: length 41.5
  Bottom w0.254: 144.12,72.3 147.2,72.3 148.9,70.6 148.9,59.7 147.22,58.03 147.22,56.35 143.4,56.35 142.07,55.03 142.07,48.58 142.49,48.16 SW43.B 147.85,48.16 149.07,49.38 J2.2
SDA_L: length 53.2
  Top w0.254: v1(118.82,72.18) 118.82,67.38 117.22,65.78 v1(117.22,59.73)
  Bottom w0.254: SW44.A 132.81,53.16 133.56,52.41 133.56,46.86 132.56,45.86 128.01,45.86 126.91,46.96 121.06,46.96 119.61,48.41 119.61,49.31 118.53,50.38 ; 118.53,51.26 119.77,52.5 119.77,57.18 v1(117.22,59.73) ; U1.5 117.55,75.27 118.82,74 v1(118.82,72.18)
SDA_R: length 34.5
  Bottom w0.254: 147.7,53.16 SW43.A ; 147.7,53.16 148.67,54.13 148.65,54.15 148.65,57.78 150.52,59.65 150.52,71 147.57,73.95 146.17,73.95 144.93,75.19 U2.5 ; 147.7,53.16 146.53,51.99 J2.1
SW43B: length 15
  Bottom w0.254: 161.97,41.02 159.98,43.02 159.98,43.97 156.68,47.27 156.68,48.67 158.27,50.27 SW43.S2
SW44B: length 21.8
  Top w0.254: v1(115.96,56.21) 115.16,56.21 113.61,54.66 113.61,44.31 114.96,42.96 v1(114.96,41.91)
  Bottom w0.254: v1(115.96,56.21) 117.39,54.78 SW44.S2 ; v1(114.96,41.91) 114.2,41.15 D44.2
Net-(D1-A): length 4.1
  Bottom w0.254: 15.52,86.94 17.05,85.4 17.05,83.51
Net-(D2-A): length 4.1
  Bottom w0.254: 36.05,83.51 36.05,85.4 34.52,86.94
Net-(D3-A): length 3.8
  Bottom w0.254: 55.03,88.51 55.03,90.18 53.52,91.69
Net-(D4-A): length 4.1
  Bottom w0.254: 72.52,94.06 74.03,92.55 74.03,90.63
Net-(D5-A): length 4.1
  Bottom w0.254: 91.52,91.69 93.03,90.18 93.03,88.26
Net-(D6-A): length 4.1
  Bottom w0.254: 112.03,85.88 112.03,87.8 110.52,89.31
Net-(D7-A): length 4.1
  Bottom w0.254: 15.52,67.94 17.05,66.4 17.05,64.51
Net-(D8-A): length 4.1
  Bottom w0.254: 34.52,67.94 36.05,66.4 36.05,64.51
Net-(D9-A): length 4.1
  Bottom w0.254: 53.52,72.69 55.03,71.18 55.03,69.26
Net-(D10-A): length 4.1
  Bottom w0.254: 72.52,75.06 74.03,73.56 74.03,71.63
Net-(D11-A): length 4.1
  Bottom w0.254: 93.03,69.26 93.03,71.18 91.52,72.69
Net-(D12-A): length 4.1
  Bottom w0.254: 112.03,66.88 112.03,68.81 110.52,70.31
Net-(D13-A): length 4.1
  Bottom w0.254: 15.52,48.94 17.05,47.4 17.05,45.51
Net-(D14-A): length 4.1
  Bottom w0.254: 36.05,45.51 36.05,47.4 34.52,48.94
Net-(D15-A): length 4.1
  Bottom w0.254: 53.52,53.69 55.03,52.18 55.03,50.26
Net-(D16-A): length 4.1
  Bottom w0.254: 74.03,52.63 74.03,54.55 72.52,56.06
Net-(D17-A): length 4.1
  Bottom w0.254: 93.03,50.26 93.03,52.18 91.52,53.69
Net-(D18-A): length 4.1
  Bottom w0.254: 112.03,47.88 112.03,49.8 110.52,51.31
Net-(D19-A): length 24.3
  Bottom w0.254: 82.02,34.06 82.02,35.69 80.52,37.9 69.32,37.9 65.48,33.3 65.48,30.52
Net-(D20-A): length 29.1
  Bottom w0.254: 84.48,30.52 87.32,36.5 102.82,36.4 104.12,31.8 104.12,29.57
Net-(D21-A): length 42.1
  Bottom w0.254: 87.33,30.52 87.33,29.9 90.02,27.2 90.02,26.2 93.12,23.1 113.92,23.1 115.32,24.5 117.12,24.5 119.82,27.2 119.82,28.3 117.82,30.3
Net-(D22-A): length 4.1
  Bottom w0.254: 273.53,83.52 273.53,85.44 272.02,86.94
Net-(D23-A): length 4.1
  Bottom w0.254: 254.53,83.52 254.53,85.44 253.02,86.94
Net-(D24-A): length 4.1
  Bottom w0.254: 235.53,88.27 235.53,90.19 234.02,91.69
Net-(D25-A): length 4.1
  Bottom w0.254: 215.02,94.07 216.53,92.56 216.53,90.64
Net-(D26-A): length 4.1
  Bottom w0.254: 197.53,88.27 197.53,90.19 196.02,91.69
Net-(D27-A): length 4.1
  Bottom w0.254: 177.02,89.31 178.53,87.8 178.53,85.88
Net-(D28-A): length 3.9
  Bottom w0.254: 273.53,64.66 273.53,66.44 272.02,67.94
Net-(D29-A): length 4.1
  Bottom w0.254: 253.02,67.94 254.53,66.44 254.53,64.52
Net-(D30-A): length 4.1
  Bottom w0.254: 234.02,72.69 235.53,71.19 235.53,69.27
Net-(D31-A): length 4.1
  Bottom w0.254: 216.53,71.64 216.53,73.56 215.02,75.07
Net-(D32-A): length 4.1
  Bottom w0.254: 196.02,72.69 197.53,71.19 197.53,69.27
Net-(D33-A): length 4.1
  Bottom w0.254: 178.53,66.88 178.53,68.82 177.02,70.32
Net-(D34-A): length 4.1
  Bottom w0.254: 273.53,45.52 273.53,47.44 272.02,48.94
Net-(D35-A): length 4.1
  Bottom w0.254: 253.02,48.94 254.53,47.44 254.53,45.52
Net-(D36-A): length 4.1
  Bottom w0.254: 234.02,53.69 235.53,52.19 235.53,50.27
Net-(D37-A): length 4.1
  Bottom w0.254: 216.53,52.64 216.53,54.56 215.02,56.07
Net-(D38-A): length 4.1
  Bottom w0.254: 196.02,53.69 197.53,52.19 197.53,50.27
Net-(D39-A): length 4.1
  Bottom w0.254: 177.02,51.32 178.53,49.82 178.53,47.88
Net-(D40-A): length 4
  Bottom w0.254: 207.03,30.66 207.03,32.56 205.52,34.07
Net-(D41-A): length 7.4
  Bottom w0.254: 188.98,30.64 188.98,31.46 189.02,31.5 187.8,32.72 183,32.72
Net-(D42-A): length 37.8
  Bottom w0.254: 163.63,19.76 165.52,21.65 165.52,24.75 162.77,27.5 162.77,30 164.77,32 168.02,32 169.27,30.75 175.77,30.75 179.27,29 181.02,29.25 183.77,29.75 184.41,30.64 186.13,30.64
unconnected-(PSW1-A-Pad1): length 6.5
  Top w0.254: PSW1.1 126.36,86.53 125.88,86.05 v1(124.64,86.05)
  Bottom w0.254: PSW1.1 121.86,86.47 122.29,86.05 v1(124.64,86.05)
unconnected-(PSW2-A-Pad1): length 6.6
  Top w0.254: v1(151.78,86.04) 153.32,86.04 153.72,86.44 PSW2.1
  Bottom w0.254: PSW2.1 149.22,86.38 149.57,86.04 v1(151.78,86.04)

## Copper pours and planes (outline as drawn; the poured copper is in the pictures)
GND on Top, Bottom: 36.49,92.56 36.77,97.89 55.12,97.61 55.07,99.34 76.57,99.34 76.64,96.64 95.92,96.59 96,94.44 114.77,94.49 114.84,91.79 134.65,91.74 134.77,29.81 120.22,4.41 103.72,13.97 66.37,18.91 56.09,33.84 -0.15,34.04 -0.3,92.56
GND1 on Top, Bottom: 140.32,91.64 160.57,91.64 160.57,94.64 179.32,94.64 179.32,97.14 198.07,97.14 198.07,99.39 219.07,99.39 219.07,97.14 237.82,97.14 237.82,92.14 275.57,91.89 275.82,33.64 220.07,33.89 208.82,18.64 171.82,13.64 154.57,4.14 139.82,29.64

Small or netless copper shapes (teardrops, artwork), in the pictures only: 150 on Top, 375 on Bottom

## Text on the board
B.Silkscreen: BAT | CS | + | -
F.Silkscreen: OLED | Wireless corne pcb by Friction | ENC
